# Altium PCB galileo_cleaned.PcbDoc (part 9 of 10) (continued)
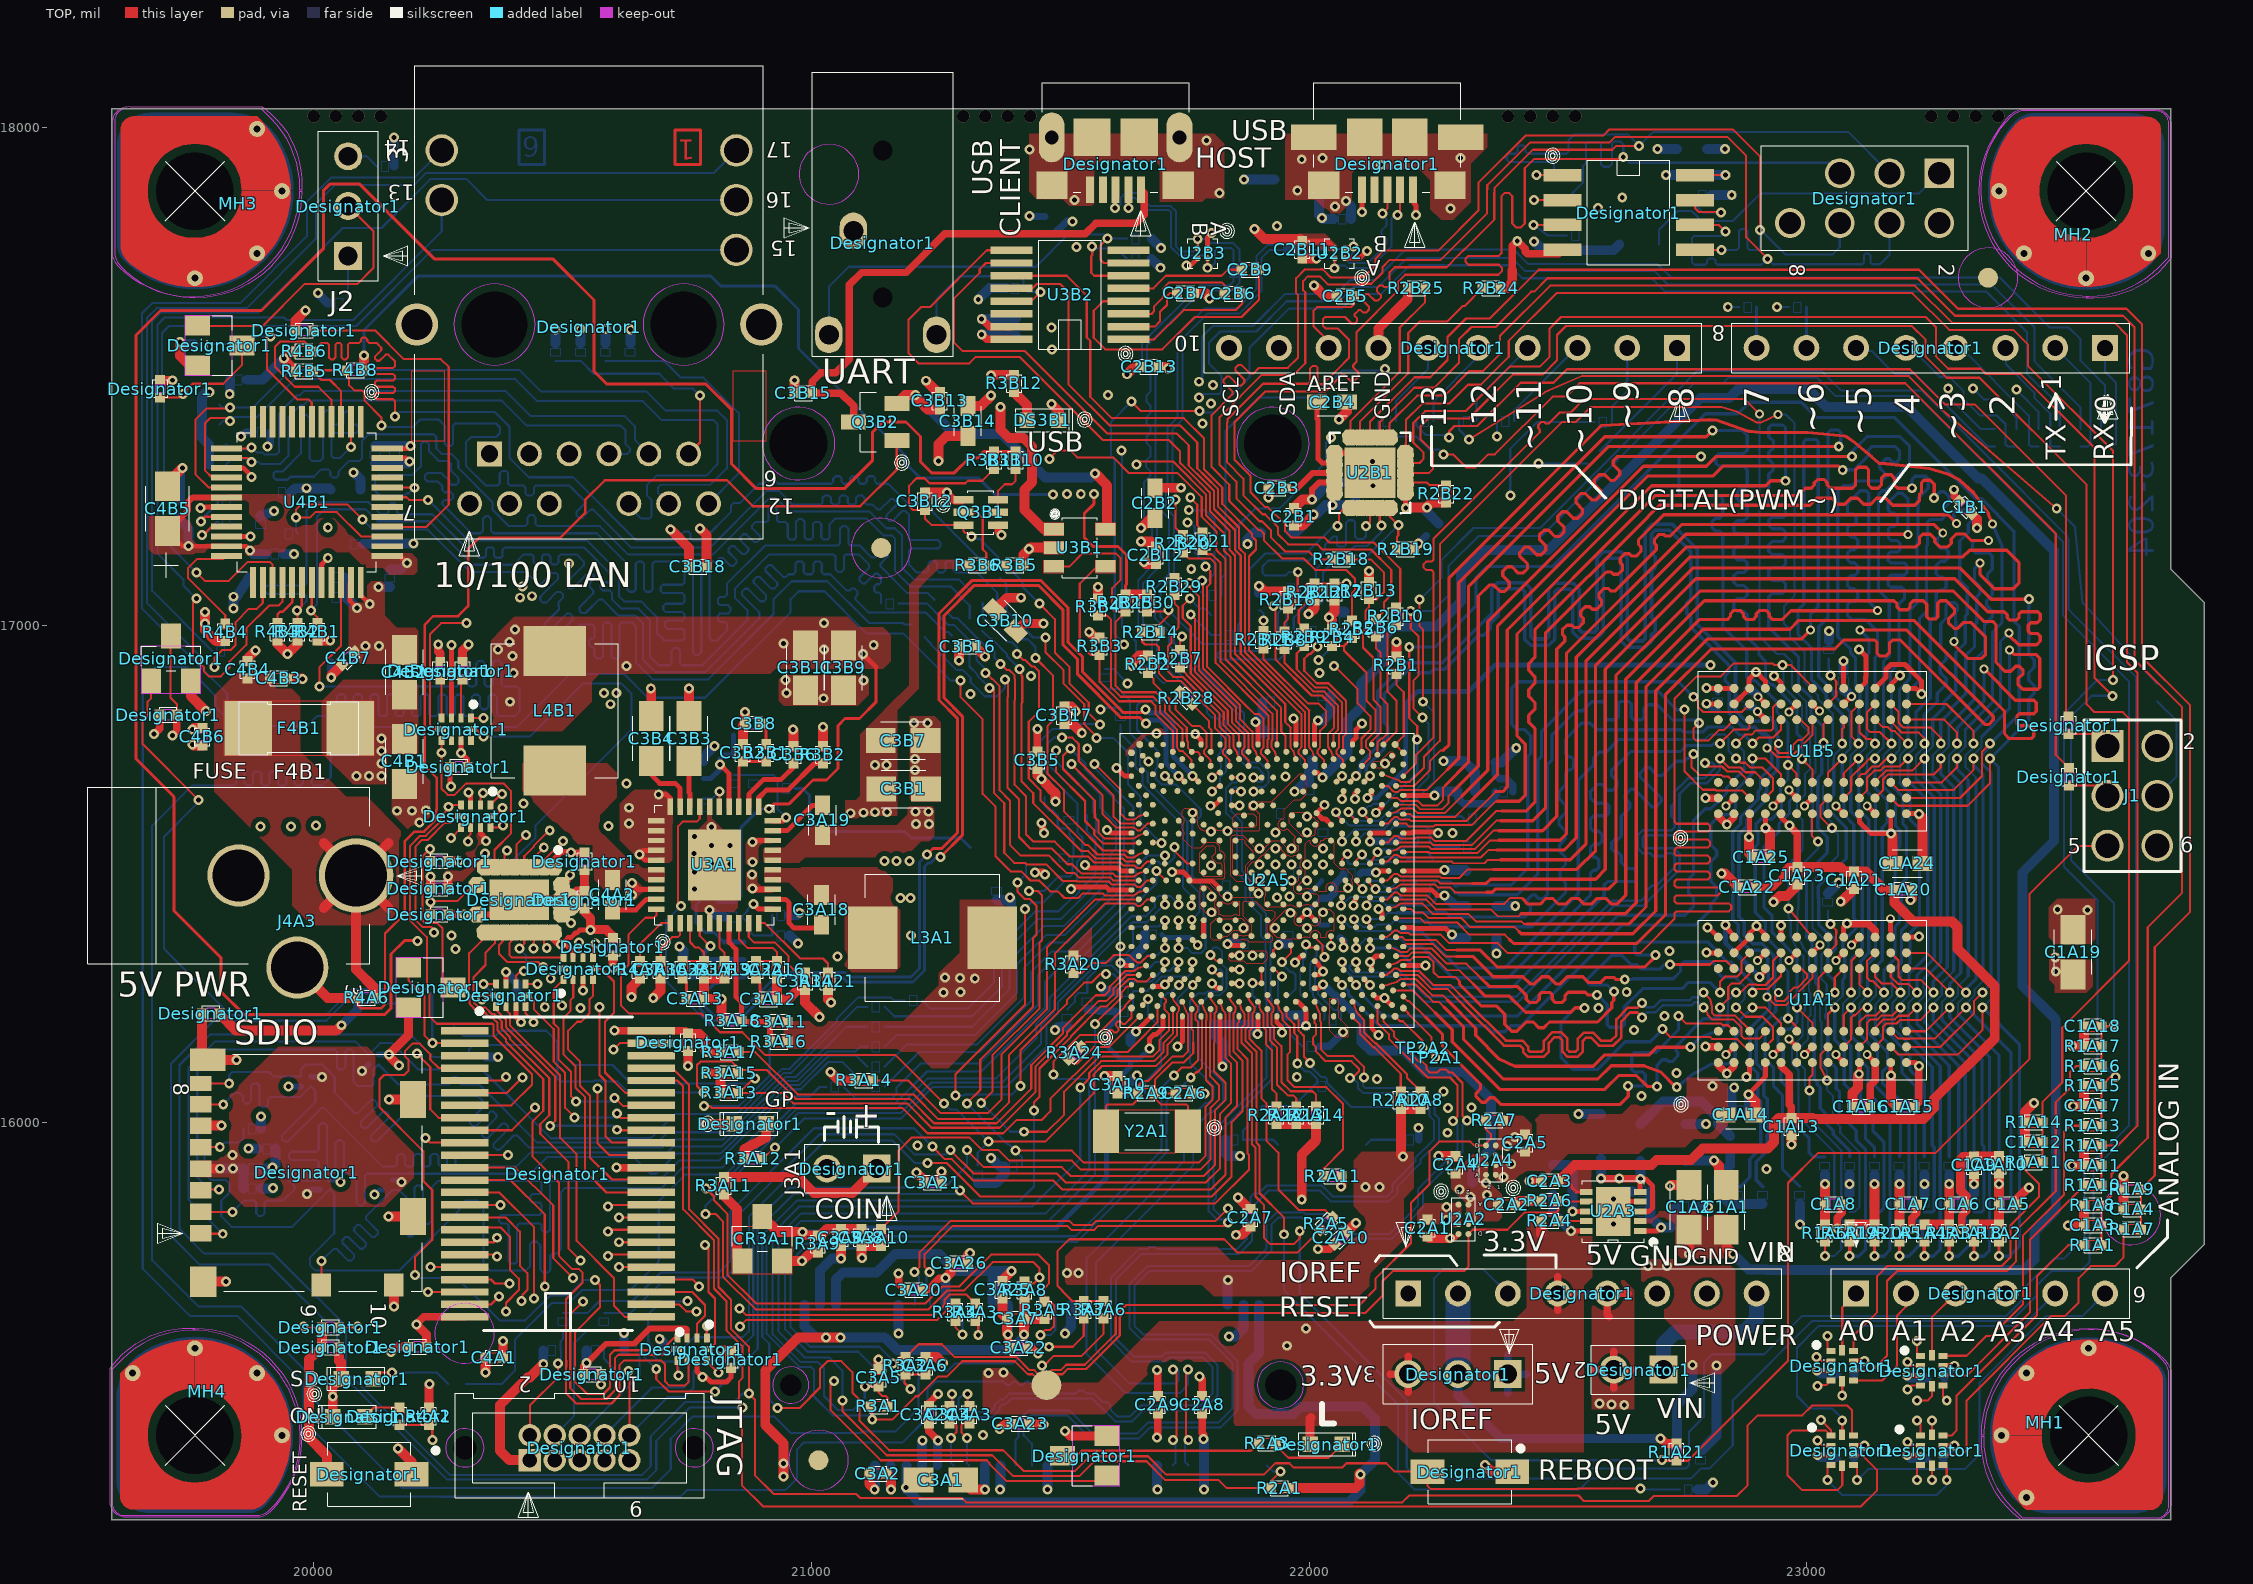
[diagram p0: TOP view]
## Polygon pours and split planes (outlines as drawn) (continued)
no net on Bottom Overlay (solid): 20354.38,17380.44 20374.38,17430.44 20334.38,17430.44 20354.38,17380.44
no net on Bottom Overlay (solid): 23262.38,17944.44 23282.38,17994.44 23242.38,17994.44 23262.38,17944.44
no net on Bottom Overlay (solid): 21916.62,15271.56 21896.62,15221.56 21936.62,15221.56 21916.62,15271.56
no net on Bottom Overlay (solid): 23544.56,16760.38 23494.56,16780.38 23494.56,16740.38 23544.56,16760.38
no net on Bottom Solder (solid): 20780,17999 20408,17999 20408,17918 20780,17918 20780,17999
no net on Top Solder (solid): 20780,17999 20408,17999 20408,17918 20780,17918 20780,17999
no net on BREAK-AWAYS (solid): 19761,15748.56 19756,15728.56 19751,15748.56 19761,15748.56
no net on BREAK-AWAYS (solid): 19751,15663.87 19756,15683.87 19761,15663.87 19751,15663.87
no net on BREAK-AWAYS (solid): 19876,15662.65 19881,15682.65 19886,15662.65 19876,15662.65
no net on BREAK-AWAYS (solid): 19886,15652.16 19881,15632.16 19876,15652.16 19886,15652.16
no net on BREAK-AWAYS (solid): 20026.32,15873.5 20006.32,15878.5 20026.32,15883.5 20026.32,15873.5
no net on BREAK-AWAYS (solid): 20187.82,15883.5 20207.82,15878.5 20187.82,15873.5 20187.82,15883.5
no net on BREAK-AWAYS (solid): 20371,15712.65 20376,15732.65 20381,15712.65 20371,15712.65
no net on BREAK-AWAYS (solid): 20381,15397.56 20376,15377.56 20371,15397.56 20381,15397.56
no net on BREAK-AWAYS (solid): 20955,17906 ccw(c21035,17906) 21035,17826 ccw(c21035,17906) 21115,17906 ccw(c21035,17906) 21035,17986 ccw(c21035,17906) 20955,17906
no net on BREAK-AWAYS (solid): 20223,15577 ccw(c20303,15577) 20303,15497 ccw(c20303,15577) 20383,15577 ccw(c20303,15577) 20303,15657 ccw(c20303,15577) 20223,15577
no net on BREAK-AWAYS (solid): 23571,15815 ccw(c23651,15815) 23651,15735 ccw(c23651,15815) 23731,15815 ccw(c23651,15815) 23651,15895 ccw(c23651,15815) 23571,15815
no net on BREAK-AWAYS (solid): 23284,17698 ccw(c23364,17698) 23364,17618 ccw(c23364,17698) 23444,17698 ccw(c23364,17698) 23364,17778 ccw(c23364,17698) 23284,17698
no net on BREAK-AWAYS (solid): 21060,17155 ccw(c21140,17155) 21140,17075 ccw(c21140,17155) 21220,17155 ccw(c21140,17155) 21140,17235 ccw(c21140,17155) 21060,17155
no net on BREAK-AWAYS (solid): 20934,15322 ccw(c21014,15322) 21014,15242 ccw(c21014,15322) 21094,15322 ccw(c21014,15322) 21014,15402 ccw(c21014,15322) 20934,15322
VSHLD_S5 on BOTTOM "BOTTOM-VSHLD_S5" (solid, pour order 49): 108 vertices, not listed, extent 23086,15314 23330,15583
VCC_FLASH on BOTTOM "BOTTOM-VCC_FLASH" (solid, pour order 61): 28 vertices, not listed, extent 22463,17773 22690,17881
VTT on BOTTOM "BOTTOM-VTT" (solid, pour order 65): 22560,15879 22558,15881 22558,15952 22565,15959 22610,15959 22625,15974 22625,16023 22634,16032 22693,16032 22706,16019 22706,15888 22697,15879 22560,15879
VBUS1 on BOTTOM "BOTTOM-VBUS1" (solid, pour order 75): 21353,17413 21348,17418 21308,17418 21308,17511 21337,17540 21424,17540 21438,17554 21438,17617 21452,17631 21569,17631 21586,17614 21586,17519 21480,17413 21353,17413
V5_ALW_ON on BOTTOM "BOTTOM-V5_ALW_ON" (solid, pour order 85): 20075,16681 20075,16701 20088,16714 20088,16776 20093,16781 20172,16781 20179,16774 20179,16736 20179,16672 20084,16672 20075,16681
V5_ALW_ON on BOTTOM "BOTTOM-V5_ALW_ON 1" (solid, pour order 87): 21 vertices, not listed, extent 20871,16394 21124,16577
V5_ALW_ON on BOTTOM "BOTTOM-V5_ALW_ON 2" (solid, pour order 93): 20739,16453 20656,16453 20649,16446 20630,16446 20627,16449 20627,16464 20627,16508 20636,16517 20735,16517 20744,16508 20744,16458 20739,16453
V5_ALW_ON on BOTTOM "BOTTOM-V5_ALW_ON 3" (solid, pour order 97): 74 vertices, not listed, extent 22339,15414 22647,15685
V3P3_S5 on BOTTOM "BOTTOM-V3P3_S5" (solid, pour order 103): 22 vertices, not listed, extent 21802,16222 21874,16317
V3P3_S5 on BOTTOM "BOTTOM-V3P3_S5 1" (solid, pour order 107): 46 vertices, not listed, extent 21243,16248 21454,16661
V3P3_S0_A on BOTTOM "BOTTOM-V3P3_S0_A" (solid, pour order 115): 34 vertices, not listed, extent 19780.04,17063 19941.5,17282
V3P3_S3 on BOTTOM "BOTTOM-V3P3_S3" (solid, pour order 119): 21822.5,16409 21806,16409 21794,16421 21794,16483 21798,16487 21824,16487 21825,16486 21825,16485 21825,16467 21819,16461 21819,16444 21822.5,16440.5 21822.5,16409
V3P3_S3 on BOTTOM "BOTTOM-V3P3_S3 1" (solid, pour order 121): 19 vertices, not listed, extent 21445,16532 21517,16617.85
V3P3_S3 on BOTTOM "BOTTOM-V3P3_S3 2" (solid, pour order 125): 363 vertices, not listed, extent 19727,16243 20627,16873
V3P3_S0 on BOTTOM "BOTTOM-V3P3_S0" (solid, pour order 131): 197 vertices, not listed, extent 21922.46,16572 22039,16902
V3P3_S0 on BOTTOM "BOTTOM-V3P3_S0 1" (solid, pour order 135): 1573 vertices, not listed, extent 20264,16087 21596,17280
V3P3_S0 on BOTTOM "BOTTOM-V3P3_S0 2" (solid, pour order 137): 250 vertices, not listed, extent 19822,16846 20334,17213
V1P8_S3_IVR on BOTTOM "BOTTOM-V1P8_S3_IVR" (solid, pour order 145): 26 vertices, not listed, extent 21773,16503 21841,16555
V1P5_S5 on BOTTOM "BOTTOM-V1P5_S5" (solid, pour order 151): 85 vertices, not listed, extent 20869,16602 21165,16801
V1P5_S0 on BOTTOM "BOTTOM-V1P5_S0" (solid, pour order 165): 407 vertices, not listed, extent 22250,15700 22870,15942
V1P5_S0 on BOTTOM "BOTTOM-V1P5_S0 1" (solid, pour order 167): 20 vertices, not listed, extent 21133,15687 21546,15751
V1P0_S0 on BOTTOM "BOTTOM-V1P0_S0" (solid, pour order 185): 114 vertices, not listed, extent 21876,16425.03 22002,16570.78
BST_V1P5_S5 on BOTTOM "BOTTOM-BST_V1P5_S5" (solid, pour order 197): 21224,16678 21224,16753 21243,16772 21364,16772 21364,16634 21319,16589 21224,16589 21206,16589 21199,16596 21199,16653 21224,16678
GND on BOTTOM "BOTTOM-GND" (solid, pour order 209): 24 vertices, not listed, extent 21490,17657 21710,17789
GND on BOTTOM "BOTTOM-GND 1" (solid, pour order 217): 27 vertices, not listed, extent 22279,16493 22419,16674
GND on BOTTOM "BOTTOM-GND 2" (solid, pour order 221): 52 vertices, not listed, extent 21875,16480 22042,16648
GND on BOTTOM "BOTTOM-GND 3" (solid, pour order 227): 34 vertices, not listed, extent 21826,16321 21898,16486
GND on BOTTOM "BOTTOM-GND 4" (solid, pour order 233): 19 vertices, not listed, extent 21888.38,16450.97 21917.01,16470
GND on BOTTOM "BOTTOM-GND 5" (solid, pour order 235): 21787,16595 21839,16595 21843,16591 21843,16564 21843,16559 21842,16558 21820,16558 21808,16570 21805,16570 21776,16570 21774,16572 21774,16589 21780,16595 21781,16595 21787,16595
GND on BOTTOM "BOTTOM-GND 6" (solid, pour order 237): 30 vertices, not listed, extent 21921,16381 22004,16441
GND on BOTTOM "BOTTOM-GND 7" (solid, pour order 245): 38 vertices, not listed, extent 21459,16619 21527,16697
GND on BOTTOM "BOTTOM-GND 8" (solid, pour order 247): 22 vertices, not listed, extent 20752,16459 20892,16674
GND on BOTTOM "BOTTOM-GND 9" (solid, pour order 253): 21939.03,16495.97 21939.07,16496.02 21941.57,16498.52 21941.57,16513.87 21941.57,16521.82 21941.37,16522.02 21941.37,16524.22 21936.45,16529.14 21927.89,16529.14 21922.03,16523.28 21922.03,16514.82 21922.03,16501.07 21927.12,16495.97 21939.03,16495.97
GND on BOTTOM "BOTTOM-GND 10" (solid, pour order 255): 17 vertices, not listed, extent 21443.83,16489 21516,16531
GND on BOTTOM "BOTTOM-GND 11" (solid, pour order 259): 20 vertices, not listed, extent 21026,16315 21210,16545
VSHLD_S5 on TOP "TOP-VSHLD_S5" (solid, pour order 51): 97 vertices, not listed, extent 20260,16485 20351,16584
VREF on TOP "TOP-VREF" (solid, pour order 69): 22565,15857 22535,15857 22517,15875 22497,15875 22493,15879 22493,15888 22499,15894 22530,15925 22556,15925 22567,15914 22567,15877 22567,15859 22565,15857
V5_PWR_JACK on TOP "TOP-V5_PWR_JACK" (solid, pour order 79): 157 vertices, not listed, extent 19800,16397 20175,16903
V5_ALW_ON on TOP "TOP-V5_ALW_ON" (solid, pour order 81): 22053,17752 22048,17752 22025,17752 22014,17763 21973,17763 21972,17764 21972,17780 21978,17786 22032,17786 22056,17762 22056,17755 22053,17752
V5_ALW_ON on TOP "TOP-V5_ALW_ON 1" (solid, pour order 83): 20147,16680 20079,16680 20016,16743 20016,16847 20029,16860 20059,16890 20200,16890 20211,16879 20211,16741 20156,16741 20147,16732 20147,16680
V5_ALW_ON on TOP "TOP-V5_ALW_ON 2" (solid, pour order 89): 20937,16463 20875,16463 20869,16469 20869,16502 20875,16508 20886,16508 20891,16503 20891,16483 20899,16475 20937,16475 20938,16474 20938,16464 20937,16463
V5_ALW_ON on TOP "TOP-V5_ALW_ON 3" (solid, pour order 91): 20937,16562 20902,16562 20895,16555 20895,16525 20887,16517 20872,16517 20868,16521 20868,16562 20879,16573 20937,16573 20938,16572 20938,16563 20937,16562
V5_ALW_ON on TOP "TOP-V5_ALW_ON 4" (solid, pour order 95): 20702,16463 20661,16463 20646,16448 20632,16448 20628,16452 20628,16484 20633,16489 20646,16489 20661,16474 20702,16474 20704,16472 20704,16465 20702,16463
V5_ALW_ON on TOP "TOP-V5_ALW_ON 5" (solid, pour order 99): 98 vertices, not listed, extent 22568,15424 22653,15684
V3P3_S5 on TOP "TOP-V3P3_S5" (solid, pour order 105): 45 vertices, not listed, extent 20944,16110 21412,16448
V3P3_S5 on TOP "TOP-V3P3_S5 1" (solid, pour order 109): 65 vertices, not listed, extent 21344,15338 22569,15812
V3P3_S3 on TOP "TOP-V3P3_S3" (solid, pour order 117): 30 vertices, not listed, extent 21781,16415 21812,16476
V3P3_S0 on TOP "TOP-V3P3_S0" (solid, pour order 129): 37 vertices, not listed, extent 21959.45,16575.05 22017.74,16623.5
V3P3_S0 on TOP "TOP-V3P3_S0 1" (solid, pour order 141): 34 vertices, not listed, extent 19767,15831 20201,16153
V1P8_S3_IVR on TOP "TOP-V1P8_S3_IVR" (solid, pour order 143): 23 vertices, not listed, extent 21779,16495 21825,16556
V1P8_S0_IVR on TOP "TOP-V1P8_S0_IVR" (solid, pour order 147): 17 vertices, not listed, extent 21846,16496 21887,16570
V1P5_S5 on TOP "TOP-V1P5_S5" (solid, pour order 149): 26 vertices, not listed, extent 21068,16612 21321,17131
V1P5_S5 on TOP "TOP-V1P5_S5 1" (solid, pour order 153): 31 vertices, not listed, extent 22285,15792 22387,15937
V1P5_S3 on TOP "TOP-V1P5_S3" (solid, pour order 157): 23498,16261 23498,16276 23487,16287 23487,16336 23492,16341 23506,16341 23519,16328 23568,16328 23574,16322 23574,16274 23561,16261 23498,16261
V1P5_S3 on TOP "TOP-V1P5_S3 1" (solid, pour order 159): 159 vertices, not listed, extent 22370,15881 22890,16159
V1P5_S3 on TOP "TOP-V1P5_S3 2" (solid, pour order 161): 84 vertices, not listed, extent 22667,15495 22856,15726
V1P5_S0 on TOP "TOP-V1P5_S0" (solid, pour order 169): 45 vertices, not listed, extent 22215,15790 22305,15839
V1P5_S0 on TOP "TOP-V1P5_S0 1" (solid, pour order 171): 61 vertices, not listed, extent 22655,15728 22875,15822
V1P5_S0 on TOP "TOP-V1P5_S0 2" (solid, pour order 173): 24 vertices, not listed, extent 21505,15651 22210,15942
V1P0_S5_IVR on TOP "TOP-V1P0_S5_IVR" (solid, pour order 177): 47 vertices, not listed, extent 21846.14,16363.15 21930.39,16445.56
V1P0_S3_IVR on TOP "TOP-V1P0_S3_IVR" (solid, pour order 179): 73 vertices, not listed, extent 21816,16415 21859,16445
V1P0_S0 on TOP "TOP-V1P0_S0" (solid, pour order 181): 24 vertices, not listed, extent 20356,16787 21159,17017
V1P0_S0 on TOP "TOP-V1P0_S0 1" (solid, pour order 183): 166 vertices, not listed, extent 21876,16433 22018,16560
V1P05_S0_IVR on TOP "TOP-V1P05_S0_IVR" (solid, pour order 189): 20 vertices, not listed, extent 21846,16593.11 21894.08,16621
RMII_S0_PFB on TOP "TOP-RMII_S0_PFB" (solid, pour order 191): 140 vertices, not listed, extent 19793,17101 20208,17263
RMII_S0_PFB on TOP "TOP-RMII_S0_PFB 1" (solid, pour order 193): 41 vertices, not listed, extent 19668,17142 19833.34,17219
BST_V3P3_S5 on TOP "TOP-BST_V3P3_S5" (solid, pour order 195): 20 vertices, not listed, extent 20905,16302 21178.5,16513
BST_V1P5_S5 on TOP "TOP-BST_V1P5_S5" (solid, pour order 199): 83 vertices, not listed, extent 20903,16522 21247,16637
BST_V1P0_S0 on TOP "TOP-BST_V1P0_S0" (solid, pour order 201): 28 vertices, not listed, extent 20419,16467 20705,16722
GND on TOP "TOP-GND" (solid, pour order 205): 24 vertices, not listed, extent 21952,17814 22358,17986.99
GND on TOP "TOP-GND 1" (solid, pour order 207): 22 vertices, not listed, extent 21437,17842.5 21829,17986.99
GND on TOP "TOP-GND 2" (solid, pour order 211): 21 vertices, not listed, extent 20068,16922 20215,17088
GND on TOP "TOP-GND 3" (solid, pour order 213): 21197,16650 21197,16817 21248,16817 21260,16805 21260,16646 21201,16646 21197,16650
GND on TOP "TOP-GND 4" (solid, pour order 215): 21023,16838 20944,16838 20934,16848 20934,16890 20943,16899 21018,16899 21088,16899 21089,16898 21110,16898 21115,16893 21115,16860 21097,16842 21093,16838 21023,16838
GND on TOP "TOP-GND 5" (solid, pour order 219): 304 vertices, not listed, extent 21745,16446 21993,16701
GND on TOP "TOP-GND 6" (solid, pour order 223): 27 vertices, not listed, extent 22041,16172 22077,16250
GND on TOP "TOP-GND 7" (solid, pour order 225): 161 vertices, not listed, extent 21975,16464 22086,16572
GND on TOP "TOP-GND 8" (solid, pour order 229): 23 vertices, not listed, extent 21838,16320 21915,16346
GND on TOP "TOP-GND 9" (solid, pour order 231): 32 vertices, not listed, extent 21802,16367 21878,16411
GND on TOP "TOP-GND 10" (solid, pour order 239): 201 vertices, not listed, extent 21921,16369 22049,16431
GND on TOP "TOP-GND 11" (solid, pour order 241): 22173,16735 22150,16712 22128,16712 22125,16715 22125,16720 22131,16726 22142,16726 22162,16746 22167,16746 22173,16740 22173,16735
GND on TOP "TOP-GND 12" (solid, pour order 243): 31 vertices, not listed, extent 21631,16654 21732,16793
GND on TOP "TOP-GND 13" (solid, pour order 249): 22 vertices, not listed, extent 20755,16424 20852,16650
GND on TOP "TOP-GND 14" (solid, pour order 251): 23486,16433 23486,16414 23486,16373 23499,16360 23569,16360 23579,16370 23579,16450 23503,16450 23498,16445 23486,16433
GND on TOP "TOP-GND 15" (solid, pour order 257): 58 vertices, not listed, extent 21516,16329 21650,16434
GND on TOP "TOP-GND 16" (solid, pour order 261): 19 vertices, not listed, extent 22370,15945 22447,16014
GND on TOP "TOP-GND 17" (solid, pour order 263): 20706,16669 20721,16654 20721,16529 20714,16522 20665,16522 20657,16530 20653,16530 20615,16568 20615,16641 20643,16669 20706,16669
GND on TOP "TOP-GND 18" (solid, pour order 267): 20189,16590 20157,16622 20157,16710 20217,16710 20239.5,16687.5 20239.5,16633.11 20238.5,16632.1 20238.5,16612.52 20218.48,16592.5 20198.9,16592.5 20196.39,16590 20189,16590
VSHLD_S5 on LYR_1 "LYR_1-VSHLD_S5" (solid, pour order 53): 809 vertices, not listed, extent 20724.25,15335 22770,16164
VREF on LYR_1 "LYR_1-VREF" (solid, pour order 73): 822 vertices, not listed, extent 22695,16293 23176,16951
V3P3_S5 on LYR_1 "LYR_1-V3P3_S5" (solid, pour order 111): 553 vertices, not listed, extent 19620,15465.75 20717.28,16566
V3P3_S0 on LYR_1 "LYR_1-V3P3_S0" (solid, pour order 139): 1615 vertices, not listed, extent 19640,15780 20547.75,17560
VSHLD_S5 on LYR_2 "LYR_2-VSHLD_S5" (solid, pour order 55): 1227 vertices, not listed, extent 20239,16087 20774,16580.75
VSHLD_S5 on LYR_2 "LYR_2-VSHLD_S5 1" (solid, pour order 59): 2573 vertices, not listed, extent 19618,15249 23150,18016
VREF on LYR_2 "LYR_2-VREF" (solid, pour order 71): 925 vertices, not listed, extent 22695,16293 23176,16944
VSHLD_S5 on PWR "PWR-VSHLD_S5" (solid, pour order 57): 713 vertices, not listed, extent 20301,16074 20588,16437
VCC_FLASH on PWR "PWR-VCC_FLASH" (solid, pour order 63): 22543,17909 22556,17922 22694,17922 22741,17969 22836,17969 22865,17940 22865,17848 22767,17848 22722,17803 22543,17803 22543,17909
VTT on PWR "PWR-VTT" (solid, pour order 67): 820 vertices, not listed, extent 22382,15423 23405,15900
VBUS1 on PWR "PWR-VBUS1" (solid, pour order 77): 426 vertices, not listed, extent 21343,17423.5 22228.59,17874
V5_ALW_ON on PWR "PWR-V5_ALW_ON" (solid, pour order 101): 4009 vertices, not listed, extent 20056,15227 23775,17874
V3P3_S5 on PWR "PWR-V3P3_S5" (solid, pour order 113): 1797 vertices, not listed, extent 20240,15491.94 22034,16786.5
V3P3_S3 on PWR "PWR-V3P3_S3" (solid, pour order 123): 732 vertices, not listed, extent 19619,15227 21201,17999
V3P3_S3 on PWR "PWR-V3P3_S3 1" (solid, pour order 127): 1102 vertices, not listed, extent 20573,16413 21820,16967
V3P3_S0 on PWR "PWR-V3P3_S0" (solid, pour order 133): 1842 vertices, not listed, extent 19715,16570 23708,17999
V1P5_S5 on PWR "PWR-V1P5_S5" (solid, pour order 155): 1742 vertices, not listed, extent 20710,15345 22367,16658
V1P5_S3 on PWR "PWR-V1P5_S3" (solid, pour order 163): 1150 vertices, not listed, extent 22208,15680 23776,17463
V1P5_S0 on PWR "PWR-V1P5_S0" (solid, pour order 175): 44 vertices, not listed, extent 22085,15775 22286,15942
V1P0_S0 on PWR "PWR-V1P0_S0" (solid, pour order 187): 1981 vertices, not listed, extent 20317,16426.86 22006,17253
AGND_VCC on PWR "PWR-AGND_VCC" (solid, pour order 203): 23 vertices, not listed, extent 19761,17217 19997,17321
GND on PWR "PWR-GND" (solid, pour order 269): 996 vertices, not listed, extent 21924.33,16009 23017,16703
GND on GND "GND-GND" (solid, pour order 265): 501 vertices, not listed, extent 19619,15227 23776,17999

## Keep-outs
TOP:
  circle w1: c23364,17698 r60
  circle w1: c21140,17155 r60
  circle w1: c21014,15322 r60
  circle w1: c23364,17698 r60
  circle w1: c21140,17155 r60
  circle w1: c21014,15322 r60
BOTTOM:
  circle w1: c21035,17906 r60
  circle w1: c20303,15577 r60
  circle w1: c23651,15815 r60
  circle w1: c21035,17906 r60
  circle w1: c20303,15577 r60
  circle w1: c23651,15815 r60
Multi-Layer:
  circle w1: c20764.47,15347 r38.5
  circle w1: c20303.53,15347 r38.5
  circle w1: c21035,17906 r60
  circle w1: c20303,15577 r60
  circle w1: c23651,15815 r60
  circle w1: c23364,17698 r60
  circle w1: c21140,17155 r60
  circle w1: c21014,15322 r60
  circle w1: c21035,17906 r60
  circle w1: c20303,15577 r60
  circle w1: c23651,15815 r60
  circle w1: c23364,17698 r60
  circle w1: c21140,17155 r60
  circle w1: c21014,15322 r60

## Other copper
TOP:
  pour cut-out: 20004.58,16497 20006.13,16481.31 20010.7,16466.23 20018.14,16452.32 20028.14,16440.14 20040.32,16430.14 20054.23,16422.7 20069.31,16418.13 20085,16416.58 20100.69,16418.13 20115.77,16422.7 20129.68,16430.14 20141.86,16440.14 20151.86,16452.32 20159.3,16466.23 20163.87,16481.31 20165.42,16497 20163.87,16512.69 20159.3,16527.77 20151.86,16541.68 20141.86,16553.86 20129.68,16563.86 20115.77,16571.3 20100.69,16575.87 20085,16577.42 20069.31,16575.87 20054.23,16571.3 20040.32,16563.86 20028.14,16553.86 20018.14,16541.68 20010.7,16527.77 20006.13,16512.69 20004.58,16497
  pour cut-out: 19938.7,16595 19939.87,16589.15 19943.18,16584.18 19948.15,16580.87 19954,16579.7 19959.85,16580.87 19964.82,16584.18 19968.13,16589.15 19969.3,16595 19968.13,16600.85 19964.82,16605.82 19959.85,16609.13 19954,16610.3 19948.15,16609.13 19943.18,16605.82 19939.87,16600.85 19938.7,16595
  pour cut-out: 19988.7,16597 19989.87,16591.15 19993.18,16586.18 19998.15,16582.87 20004,16581.7 20009.85,16582.87 20014.82,16586.18 20018.13,16591.15 20019.3,16597 20018.13,16602.85 20014.82,16607.82 20009.85,16611.13 20004,16612.3 19998.15,16611.13 19993.18,16607.82 19989.87,16602.85 19988.7,16597
  pour cut-out: 22577.7,15504 22578.87,15495.12 22582.3,15486.85 22587.75,15479.75 22594.85,15474.3 22603.12,15470.87 22612,15469.7 22620.88,15470.87 22629.15,15474.3 22636.25,15479.75 22641.7,15486.85 22645.13,15495.12 22646.3,15504 22645.13,15512.88 22641.7,15521.15 22636.25,15528.25 22629.15,15533.7 22620.88,15537.13 22612,15538.3 22603.12,15537.13 22594.85,15533.7 22587.75,15528.25 22582.3,15521.15 22578.87,15512.88 22577.7,15504
  pour cut-out: 21889.6,15473 21891.4,15459.29 21896.69,15446.52 21905.11,15435.56 21916.07,15427.14 21928.84,15421.85 21942.55,15420.05 21956.26,15421.85 21969.03,15427.14 21979.99,15435.56 21988.41,15446.52 21993.7,15459.29 21995.51,15473 21993.7,15486.71 21988.41,15499.48 21979.99,15510.44 21969.03,15518.86 21956.26,15524.15 21942.55,15525.95 21928.84,15524.15 21916.07,15518.86 21905.11,15510.44 21896.69,15499.48 21891.4,15486.71 21889.6,15473
  pour cut-out: 22433,15461 22365,15461 22365,15529 22433,15529 22433,15461
  pour cut-out: 22466.72,15657 22467.82,15648.65 22471.05,15640.86 22476.18,15634.18 22482.86,15629.05 22490.65,15625.82 22499,15624.72 22507.35,15625.82 22515.14,15629.05 22521.82,15634.18 22526.95,15640.86 22530.18,15648.65 22531.28,15657 22530.18,15665.35 22526.95,15673.14 22521.82,15679.82 22515.14,15684.95 22507.35,15688.18 22499,15689.28 22490.65,15688.18 22482.86,15684.95 22476.18,15679.82 22471.05,15673.14 22467.82,15665.35 22466.72,15657
  pour cut-out: 22264.7,15495 22265.87,15486.12 22269.3,15477.85 22274.75,15470.75 22281.85,15465.3 22290.12,15461.87 22299,15460.7 22307.88,15461.87 22316.15,15465.3 22323.25,15470.75 22328.7,15477.85 22332.13,15486.12 22333.3,15495 22332.13,15503.88 22328.7,15512.15 22323.25,15519.25 22316.15,15524.7 22307.88,15528.13 22299,15529.3 22290.12,15528.13 22281.85,15524.7 22274.75,15519.25 22269.3,15512.15 22265.87,15503.88 22264.7,15495
  pour cut-out: 22164.7,15495 22165.87,15486.12 22169.3,15477.85 22174.75,15470.75 22181.85,15465.3 22190.12,15461.87 22199,15460.7 22207.88,15461.87 22216.15,15465.3 22223.25,15470.75 22228.7,15477.85 22232.13,15486.12 22233.3,15495 22232.13,15503.88 22228.7,15512.15 22223.25,15519.25 22216.15,15524.7 22207.88,15528.13 22199,15529.3 22190.12,15528.13 22181.85,15524.7 22174.75,15519.25 22169.3,15512.15 22165.87,15503.88 22164.7,15495
  pour cut-out: 21823.7,15571 21824.87,15565.15 21828.18,15560.18 21833.15,15556.87 21839,15555.7 21844.85,15556.87 21849.82,15560.18 21853.13,15565.15 21854.3,15571 21853.13,15576.85 21849.82,15581.82 21844.85,15585.13 21839,15586.3 21833.15,15585.13 21828.18,15581.82 21824.87,15576.85 21823.7,15571
  pour cut-out: 20106.89,15855.81 20108.06,15849.96 20111.37,15844.99 20116.34,15841.68 20122.19,15840.51 20128.04,15841.68 20133.01,15844.99 20136.32,15849.96 20137.49,15855.81 20136.32,15861.66 20133.01,15866.63 20128.04,15869.94 20122.19,15871.11 20116.34,15869.94 20111.37,15866.63 20108.06,15861.66 20106.89,15855.81
  pour cut-out: 19933.7,16073 19934.87,16067.15 19938.18,16062.18 19943.15,16058.87 19949,16057.7 19954.85,16058.87 19959.82,16062.18 19963.13,16067.15 19964.3,16073 19963.13,16078.85 19959.82,16083.82 19954.85,16087.13 19949,16088.3 19943.15,16087.13 19938.18,16083.82 19934.87,16078.85 19933.7,16073
  pour cut-out: 19878.7,16013 19879.87,16007.15 19883.18,16002.18 19888.15,15998.87 19894,15997.7 19899.85,15998.87 19904.82,16002.18 19908.13,16007.15 19909.3,16013 19908.13,16018.85 19904.82,16023.82 19899.85,16027.13 19894,16028.3 19888.15,16027.13 19883.18,16023.82 19879.87,16018.85 19878.7,16013
  pour cut-out: 19902.7,15869 19903.87,15863.15 19907.18,15858.18 19912.15,15854.87 19918,15853.7 19923.85,15854.87 19928.82,15858.18 19932.13,15863.15 19933.3,15869 19932.13,15874.85 19928.82,15879.82 19923.85,15883.13 19918,15884.3 19912.15,15883.13 19907.18,15879.82 19903.87,15874.85 19902.7,15869
  pour cut-out: 19901.7,15910 19902.87,15904.15 19906.18,15899.18 19911.15,15895.87 19917,15894.7 19922.85,15895.87 19927.82,15899.18 19931.13,15904.15 19932.3,15910 19931.13,15915.85 19927.82,15920.82 19922.85,15924.13 19917,15925.3 19911.15,15924.13 19906.18,15920.82 19902.87,15915.85 19901.7,15910
  pour cut-out: 20038.7,15881 20039.87,15875.15 20043.18,15870.18 20048.15,15866.87 20054,15865.7 20059.85,15866.87 20064.82,15870.18 20068.13,15875.15 20069.3,15881 20068.13,15886.85 20064.82,15891.82 20059.85,15895.13 20054,15896.3 20048.15,15895.13 20043.18,15891.82 20039.87,15886.85 20038.7,15881
  pour cut-out: 19853.7,15948 19854.87,15942.15 19858.18,15937.18 19863.15,15933.87 19869,15932.7 19874.85,15933.87 19879.82,15937.18 19883.13,15942.15 19884.3,15948 19883.13,15953.85 19879.82,15958.82 19874.85,15962.13 19869,15963.3 19863.15,15962.13 19858.18,15958.82 19854.87,15953.85 19853.7,15948
  pour cut-out: 22781.68,15998 22782.84,15992.14 22786.16,15987.16 22791.14,15983.84 22797,15982.68 22802.86,15983.84 22807.84,15987.16 22811.16,15992.14 22812.32,15998 22811.16,16003.86 22807.84,16008.84 22802.86,16012.16 22797,16013.32 22791.14,16012.16 22786.16,16008.84 22782.84,16003.86 22781.68,15998
  pour cut-out: 22766.72,15657 22767.82,15648.65 22771.05,15640.86 22776.18,15634.18 22782.86,15629.05 22790.65,15625.82 22799,15624.72 22807.35,15625.82 22815.14,15629.05 22821.82,15634.18 22826.95,15640.86 22830.18,15648.65 22831.28,15657 22830.18,15665.35 22826.95,15673.14 22821.82,15679.82 22815.14,15684.95 22807.35,15688.18 22799,15689.28 22790.65,15688.18 22782.86,15684.95 22776.18,15679.82 22771.05,15673.14 22767.82,15665.35 22766.72,15657
  pour cut-out: 21916.68,16519 21917.84,16513.14 21921.16,16508.16 21926.14,16504.84 21932,16503.68 21937.86,16504.84 21942.84,16508.16 21946.16,16513.14 21947.32,16519 21946.16,16524.86 21942.84,16529.84 21937.86,16533.16 21932,16534.32 21926.14,16533.16 21921.16,16529.84 21917.84,16524.86 21916.68,16519
  pour cut-out: 20012.68,17196 20013.84,17190.14 20017.16,17185.16 20022.14,17181.84 20028,17180.68 20033.86,17181.84 20038.84,17185.16 20042.16,17190.14 20043.32,17196 20042.16,17201.86 20038.84,17206.84 20033.86,17210.16 20028,17211.32 20022.14,17210.16 20017.16,17206.84 20013.84,17201.86 20012.68,17196
  pour cut-out: 19904.68,17229 19905.84,17223.14 19909.16,17218.16 19914.14,17214.84 19920,17213.68 19925.86,17214.84 19930.84,17218.16 19934.16,17223.14 19935.32,17229 19934.16,17234.86 19930.84,17239.84 19925.86,17243.16 19920,17244.32 19914.14,17243.16 19909.16,17239.84 19905.84,17234.86 19904.68,17229
  pour cut-out: 21904.75,16599 21905.61,16594.7 21908.05,16591.05 21911.7,16588.61 21916,16587.75 21920.3,16588.61 21923.95,16591.05 21926.39,16594.7 21927.25,16599 21926.39,16603.3 21923.95,16606.95 21920.3,16609.39 21916,16610.25 21911.7,16609.39 21908.05,16606.95 21905.61,16603.3 21904.75,16599
  pour cut-out: 21754.55,16581 21755.41,16576.7 21757.85,16573.05 21761.5,16570.61 21765.8,16569.75 21770.1,16570.61 21773.75,16573.05 21776.19,16576.7 21777.05,16581 21776.19,16585.3 21773.75,16588.95 21770.1,16591.39 21765.8,16592.25 21761.5,16591.39 21757.85,16588.95 21755.41,16585.3 21754.55,16581
  pour cut-out: 22032.75,16503 22033.61,16498.7 22036.05,16495.05 22039.7,16492.61 22044,16491.75 22048.3,16492.61 22051.95,16495.05 22054.39,16498.7 22055.25,16503 22054.39,16507.3 22051.95,16510.95 22048.3,16513.39 22044,16514.25 22039.7,16513.39 22036.05,16510.95 22033.61,16507.3 22032.75,16503
  text "1" at 20766,17975 h40 r180
PWR:
  drawing of 573 lines, arcs and shapes, not listed
  text "2" at 20704,17979 h40 r180
LYR_1:
  drawing of 140 lines, arcs and shapes, not listed
  text "3" at 20639,17979 h40 r180
LYR_2:
  drawing of 79 lines, arcs and shapes, not listed
  text "4" at 20578,17981 h40 r180
GND:
  drawing of 620 lines, arcs and shapes, not listed
  text "5" at 20515,17981 h40 r180
BOTTOM:
  drawing of 58 lines, arcs and shapes, not listed
  text "6" at 20454,17981 h40 r180
  text "G87173-204" at 23696.67,17559.5 h50 r90
Multi-Layer:
  pour cut-out: 19852,17271 19750,17271 19744,17277 19744,17292 19763,17311 19763,17344 19787,17368 19886,17368 19890,17364 19890,17319 19885,17314 19869,17314 19859,17304 19859,17278 19852,17271
  pour cut-out: 23431,16295 23322,16295 23233,16384 22849,16384 22835,16398 22835,16596 22850,16611 23310,16611 23392,16693 23412,16693 23425,16680 23425,16308 23431,16302 23431,16295
  pour cut-out: 22324,16167 22099,16167 22099,16157 22142,16114 22142,16090 22131,16079 22078,16079 22034,16035 21870,16035 21855,16050 21855,16155 21843,16167 21652,16167 21563,16256 21563,16438 21520,16438 21510,16448 21510,16538 21563,16591 21563,16668 21675,16780 21797,16780 21797,16832 21743,16886 21743,16966 21737,16972 21703,16972 21691,16984 21691,17102 21710,17121 21789,17121 21809,17101 21809,16924 21895,16838 21907,16838 21918,16827 21918,16780 22017,16780 22017,16818 21890,16945 21890,17026 21898,17034 21952,17034 21964,17022 21964,16929 22003,16890 22096,16890 22153,16833 22189,16797 22189,16780 22257,16780 22367,16670 22432,16605 22432,16382 22367,16317 22367,16210 22324,16167
  pour cut-out: 22686,16882 22686,16761 22698,16749 22715,16749 22715,16090 22841,16090 22841,15719 22874,15686 23370,15686 23410,15686 23431,15707 23431,16295 23322,16295 23233,16384 22738,16384 22722,16400 22722,16580 22753,16611 23310,16611 23431,16732 23431,16787 23450,16806 23450,16950 23385,17015 23298,17015 22796,17015 22686,16905 22686,16882